# Altium PCB EBAZ4205.PcbDoc (part 5 of 6)
Units mil, origin at the board's own origin, x right, y up, seen from the top; angles counter-clockwise.
Board outline 3958.82 x 3829.88 mil, 4 copper layers (Top Layer, MidLayer1, MidLayer2, Bottom Layer); 565 components, 392 nets, 1912 pads, 1242 vias.
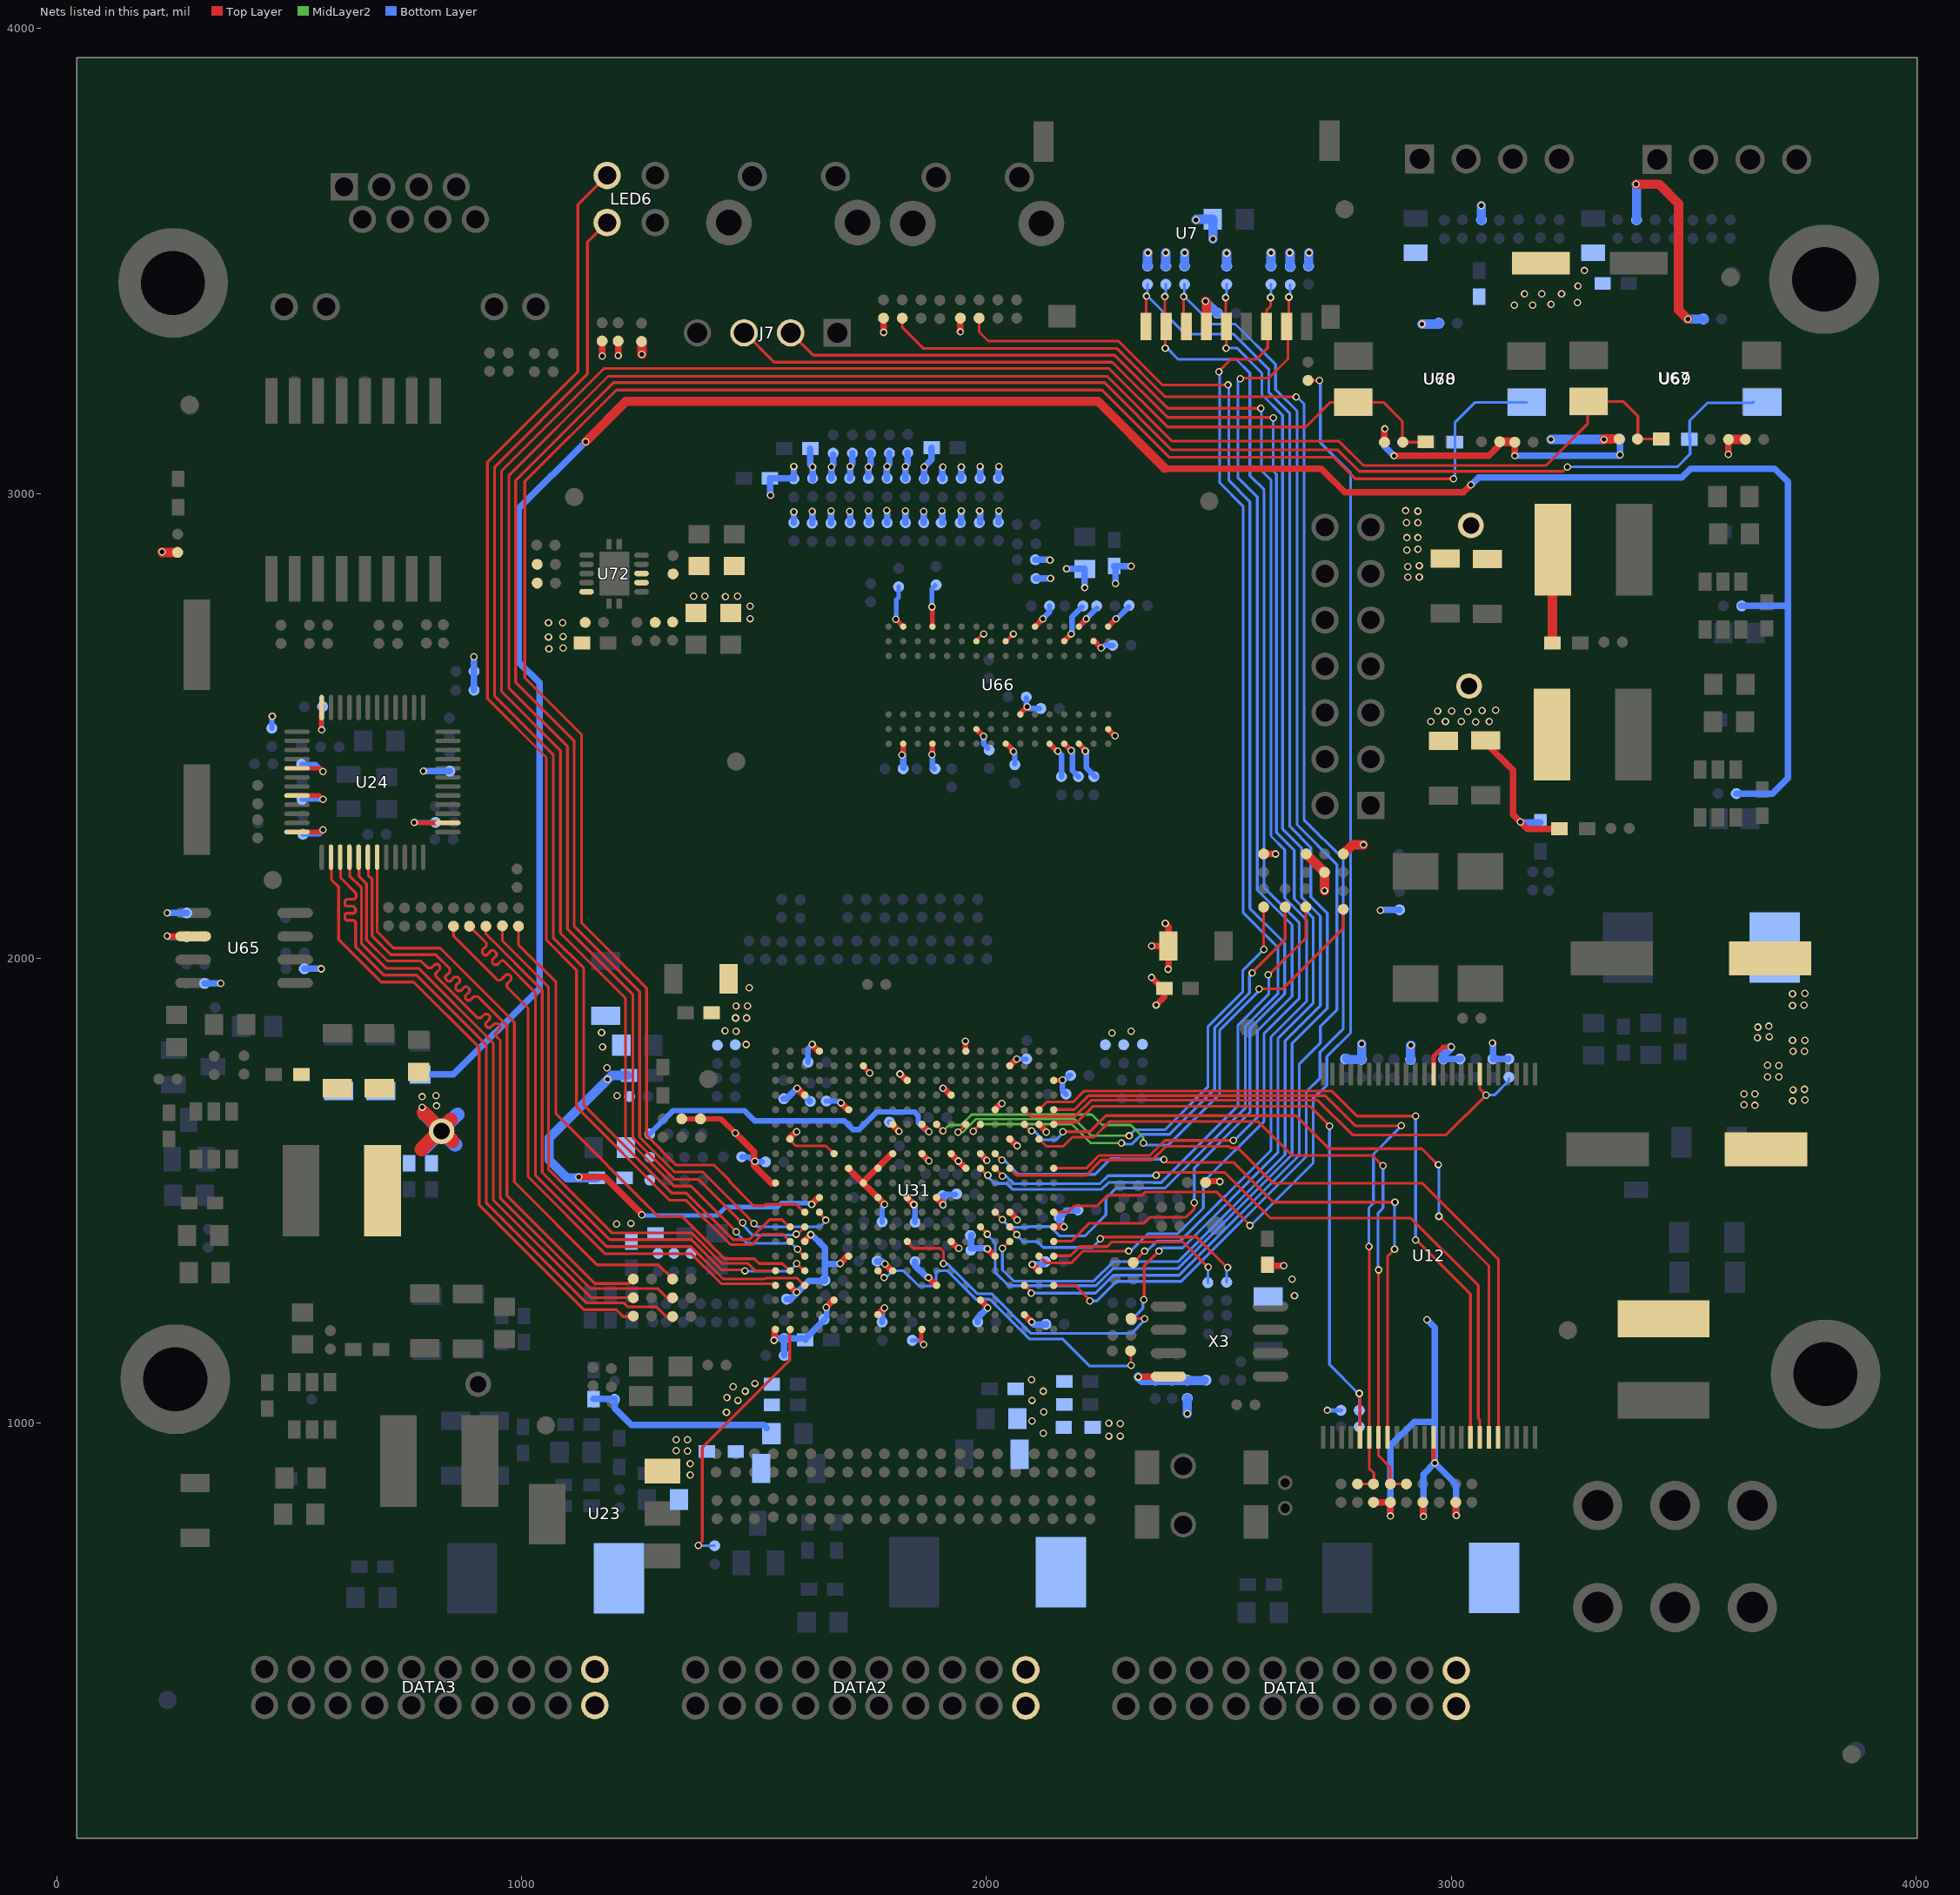
[diagram p7: the nets of this part, all layers, seen from the top]

## Via types
v1: diameter 16, hole 10, Top Layer to Bottom Layer, 1172 vias
v2: diameter 16, hole 10, Top Layer to Bottom Layer, tented both sides, 70 vias

## Nets (pads, with @x,y where several pads share a name; then routed paths per layer and width w, separated by ;. In a path a pad name is that pad's centre, name@x,y a point inside that pad or via, vN(x,y) a via of type N, cw(c..) or ccw(c..) an arc to the next point about the centre after c; other vN are vias at no path point) (continued)
RXD0_0: R1391.1 U31.Y16 | length 1140.1
  Top Layer w6: R1391.1@958.66,2069.88 958.66,2037.4 1058.07,1937.99 1058.07,1545.28 1193.9,1409.45 1365.16,1409.45 1430.85,1343.76 1486.94,1343.76 1502.94,1327.76 U31.Y16@1542.32,1327.76
RXD1_0: R1394.1 U31.V16 | length 1237.2
  Top Layer w6: R1394.1@923.23,2068.9 923.23,2052.17 1044.29,1931.1 1044.29,1539.37 1188.98,1394.68 1365.16,1394.68 1430.12,1329.72 1479.33,1329.72 v1@1480.32,1328.74 ; v1@1593.5,1341.54 1593.61,1341.54 U31.V16@1606.61,1328.53
  Bottom Layer w6: v1@1480.32,1328.74 1482.28,1326.77 1575.79,1326.77 v1@1589.57,1340.55
  other v1: 1480.32,1327.76 1591.54,1343.5
RXD2_0: R1397.1 U31.V17 | length 1333.3
  Top Layer w6: R1397.1@887.8,2068.9 924.21,2032.48 924.21,2026.57 915.35,2017.72 915.35,2010.83 919.29,2006.89 925.2,2006.89 935.04,2016.73 939.96,2016.73 945.87,2010.83 945.87,2005.91 937.01,1997.05 937.01,1990.16 940.95,1986.22 947.83,1986.22 956.69,1995.08 960.63,1995.08 1029.53,1926.18 1029.53,1533.46 1183.07,1379.92 1364.17,1379.92 1434.06,1310.04 1522.64,1310.04 1524.56,1311.96 1592.56,1311.96 U31.V17@1605.32,1299.21
RXD3_0: R1405.1 U31.Y17 | length 1269.5
  Top Layer w6: R1405.1@853.35,2068.9 853.35,2048.23 948.82,1952.76 954.72,1952.76 966.54,1964.57 973.43,1964.57 977.36,1960.63 977.36,1953.74 968.5,1944.88 968.5,1937.99 1013.78,1892.72 1013.78,1530.51 1180.12,1364.17 1365.16,1364.17 1429.29,1300.04 1540.36,1300.04 U31.Y17@1543.31,1297.09
RXDV_0: R1385.1 U31.W16 | length 1077.2
  Top Layer w6: R1385.1@993.11,2068.9 993.11,2029.53 1073.82,1948.82 1073.82,1665.35 1294.45,1444.72 1345.27,1444.72 1436.24,1353.76 1500.57,1353.76 1503.99,1350.34 1511.08,1343.25 1530.25,1343.25 1530.5,1343.5 1561.02,1343.5 U31.W16@1574.8,1329.72
RY/#BY_0: R1358.1 U12.7 U31.C5 | length 1197.6
  Top Layer w6: U31.C5@2081.38,1674.42 2096.35,1659.45 2189.96,1659.45 2225.08,1694.57 2712.91,1694.57 2787.4,1620.08 2989.17,1620.08 v1(3074.8,1705.71) 3061.24,1719.27 U12.7@3061.24,1750.98
  Bottom Layer w6: v1(3074.8,1705.71) 3092.52,1705.71 3124.02,1737.2 R1358.1@3124.02,1741.14
TXCLK_0: R2461.1 U24.7 | length 1302.7
  Top Layer w6: U24.7@689.07,2217.52 689.07,2057 724.41,2021.65 824.8,2021.65 984.25,1862.2 984.25,1518.7 1162.4,1340.55 1294.29,1340.55 R2461.1@1321.85,1312.99
TXD0_0: R2463.1 U24.6 | length 1360.1
  Top Layer w6: U24.6@670.19,2217.52 670.19,2178.24 678.15,2170.28 678.15,2048.23 718.5,2007.87 814.96,2007.87 845.47,1977.36 845.47,1970.47 835.63,1960.63 835.63,1956.69 841.54,1950.79 846.46,1950.79 855.32,1959.65 862.2,1959.65 867.13,1954.72 867.13,1949.8 858.27,1940.94 858.27,1934.05 862.2,1930.12 869.09,1930.12 877.95,1938.98 882.87,1938.98 887.8,1934.05 887.8,1928.15 878.94,1919.29 878.94,1913.39 882.87,1909.45 888.78,1909.45 896.65,1917.32 906.5,1917.32 968.5,1855.31 968.5,1489.17 1157.48,1300.2 1232.28,1300.2 R2463.1@1241.14,1309.05
TXD1_0: R2464.1 U24.5 | length 1458.1
  Top Layer w6: U24.5@650.32,2217.52 650.32,2176.45 666.34,2160.43 666.34,2039.37 711.61,1994.09 783.46,1994.09 798.23,1979.33 806.1,1979.33 813.98,1987.2 820.87,1987.2 823.82,1984.25 823.82,1976.38 814.96,1967.52 814.96,1961.61 904.53,1872.05 912.4,1872.05 920.28,1879.92 927.17,1879.92 932.09,1875 932.09,1870.08 925.2,1863.19 922.24,1860.24 922.24,1855.31 927.17,1850.39 932.09,1850.39 940.95,1859.25 949.8,1859.25 953.74,1855.31 953.74,1849.41 942.91,1838.58 942.91,1834.65 953.74,1823.82 953.74,1484.25 1148.62,1289.37 1293.31,1289.37 1312.99,1269.68 R2464.1@1322.83,1269.68
TXD2_0: R2465.1 U24.4 | length 1275.9
  Top Layer w6: U24.4@629.92,2198.82 629.92,2177.17 655.51,2151.57 655.51,2031.5 708.66,1978.35 778.54,1978.35 938.98,1817.91 938.98,1480.31 1149.61,1269.68 R2465.1@1240.16,1269.68
TXD3_0: R2466.1 U24.3 | length 1489.5
  Top Layer w6: U24.3@610.59,2217.52 610.59,2172.87 643.7,2139.76 643.7,2130.91 639.76,2126.97 623.03,2126.97 620.08,2124.02 620.08,2114.17 622.05,2112.2 636.81,2112.2 642.72,2106.3 642.72,2100.39 638.78,2096.46 622.05,2096.46 620.08,2094.49 620.08,2084.65 623.03,2081.69 638.78,2081.69 642.72,2077.76 642.72,2024.61 703.74,1963.58 773.62,1963.58 924.21,1812.99 924.21,1473.42 1138.78,1258.86 1219.49,1258.86 1228.35,1250 1290.35,1250 1311.02,1229.33 R2466.1@1321.85,1229.33
TXEN_0: R2462.1 U24.2 | length 1350.8
  Top Layer w6: U24.2@590.73,2217.52 590.73,2169.11 606.3,2153.54 606.3,2040.35 697.83,1948.82 767.72,1948.82 908.46,1808.07 908.46,1469.49 1133.86,1244.09 1203.74,1244.09 1218.5,1229.33 R2462.1@1239.17,1229.33
U3.A14_0: R2650.1 U31.A14 | length 2849.1
  Top Layer w6: R2650.1@1984.25,3376.97 1984.25,3347.44 2003.94,3327.76 2284.45,3327.76 2378.94,3233.27 v1(2519.69,3233.27) ; U31.A14@2144.69,1391.42 2182.76,1391.42 2221.46,1430.12 2339.57,1430.12 2352.36,1442.91 2429.13,1442.91 2446.85,1460.63 v1(2446.85,1474.41)
  Bottom Layer w6: v1@2446.85,1472.44 2446.85,1548.23 2567.09,1668.46 2567.09,1682.29 2566.93,1682.45 2566.93,1848.42 2641.73,1923.23 2641.73,2032.48 2566.93,2107.28 2566.93,2982.28 2521.65,3027.56 2521.65,3231.3 v1(2519.69,3233.27)
U3.A17_0: R2646.1 U31.A17 | length 3319.7
  Top Layer w6: R2646.1@1818.9,3376.97 1818.9,3357.28 1864.17,3312.01 2280.51,3312.01 2384.84,3207.68 v1(2666.34,3207.68) ; U31.A17@2144.69,1297.09 2190.12,1297.09 v1@2222.44,1264.76
  Bottom Layer w6: v1@2227.36,1262.8 2237.2,1262.8 2279.53,1305.12 2419.29,1305.12 2687.99,1573.82 2687.99,1712.6 2717.52,1742.13 2717.52,1798.23 2767.72,1848.42 2767.72,2213.58 2683.07,2298.23 2683.07,3192.91 2668.31,3207.68 v1(2666.34,3207.68)
  other v1: 2222.44,1262.8
U3.A.9_0: R160.1 U7.8 U31.A9 | length 2429.1
  Top Layer w6: U31.A9@2144.69,1548.64 2214.98,1548.64 2242.28,1575.94 2351.54,1575.94 2383.86,1608.27 v1(2531.5,1608.27) ; v1@2547.24,3248.03 2607.28,3248.03 2648.62,3289.37 2648.62,3356.42 U7.8@2645.79,3359.25 2650.59,3364.05 v1(2650.59,3422.24)
  Bottom Layer w6: v1@2532.48,1607.28 2582.68,1657.48 2582.68,1843.5 2657.48,1918.31 2657.48,2071.85 2582.68,2146.65 2582.68,2992.13 2541.34,3033.46 v1@2541.34,3242.13 ; v1@2651.58,3421.26 2653.54,3423.23 R160.1@2653.54,3448.82
  other v1: 2546.26,3247.05
U3.A.12_0: R167.1 U31.A12 | length 2444.9
  Top Layer w6: 2164.94,1454.31 2144.69,1454.31 2175.58,1454.31 2188.42,1467.14 2237.81,1467.14 2246.06,1475.39 2260.83,1490.16 2334.65,1490.16 2341.54,1497.05 2496.06,1497.05 2566.93,1426.18 v1(2566.93,1425.2) ; R167.1@2691.93,3243.11 v1(2716.54,3243.11)
  Bottom Layer w6: v1(2566.93,1425.2) 2568.9,1425.2 2702.76,1559.05 2702.76,1697.83 2732.28,1727.36 2732.28,1788.39 2783.46,1839.57 2783.46,3044.29 2718.5,3109.25 v1@2718.5,3237.2
U3.A.16_0: J7.2 R2436.2 | length 3140.3
  Top Layer w6: J7.2@1578.74,3345.47 1626.97,3297.24 2275.59,3297.24 2389.76,3183.07 v1(2590.55,3183.07) ; R2436.2@2315.95,1345.47 v1(2340.55,1370.08)
  Bottom Layer w6: v1(2340.55,1370.08) 2345.47,1370.08 2367.13,1391.73 2417.32,1391.73 2612.2,1586.61 2612.2,1830.71 2688.98,1907.48 2688.98,2082.68 2641.73,2129.92 2641.73,2233.27 2612.2,2262.79 2612.2,3028.54 2591.54,3049.21 2591.54,3178.15 v1@2592.52,3179.13
U3.B.15_0: R164.1 U7.2 U31.B15 | length 2673.7
  Top Layer w6: U31.B15@2113.03,1359.98 2128.52,1344.49 2182.09,1344.49 2207.52,1369.92 2305.95,1369.92 v1(2306.1,1370.08) ; v1(2383.86,3423.23) 2383.86,3362.08 U7.2@2386.69,3359.25 2384.84,3357.41 v1(2384.84,3312.01)
  Bottom Layer w6: v1(2306.1,1370.08) 2310.04,1370.08 2347.44,1407.48 2411.42,1407.48 2466.54,1462.6 2466.54,1518.7 2597.44,1649.61 2597.44,1838.58 2673.23,1914.37 2673.23,2075.79 2597.44,2151.57 2597.44,3007.87 2566.93,3038.39 2566.93,3258.86 2537.4,3288.39 2412.4,3288.39 v1@2388.78,3312.01 ; v1@2385.83,3424.21 R164.1@2385.83,3449.8
U3.C.17_0: R163.1 U7.3 U31.C17 | length 2857.2
  Top Layer w6: U31.C17@2081.38,1297.09 2097.96,1280.51 v1@2098.43,1280.51 ; v1(2424.21,3423.23) 2424.21,3364.91 U7.3@2429.87,3359.25
  Bottom Layer w6: v1@2097.44,1278.54 2098.68,1279.78 2173.95,1279.78 2174.2,1279.53 2234.25,1279.53 2272.64,1317.91 2414.37,1317.91 2673.23,1576.77 2673.23,1772.64 2718.5,1817.91 2718.5,1853.35 2753.94,1888.78 2753.94,2201.77 2668.31,2287.4 2668.31,3177.17 2622.05,3223.42 2622.05,3277.56 2535.43,3364.17 2485.24,3364.17 v1@2429.13,3420.28 ; v1@2426.18,3423.23 R163.1@2426.18,3449.8
  other v1: 2096.46,1279.53
U3.D.14_0: R162.1 U7.5 U31.D14 | length 2798.6
  Top Layer w6: v1(2034.45,1375.98) 2034.45,1376.14 U31.D14@2049.73,1391.42 ; v1(2514.76,3421.26) 2514.76,3360.73 U7.5@2516.24,3359.25 2516.24,3312.5 v1(2515.75,3312.01)
  Bottom Layer w6: v1(2034.45,1375.98) 2034.45,1329.72 2058.64,1305.54 2230.73,1305.54 2272.64,1347.44 2412.4,1347.44 2642.72,1577.76 2642.72,1822.83 2718.5,1898.62 2718.5,2090.55 2678.15,2130.91 2678.15,2237.2 2636.81,2278.54 2636.81,3168.31 2592.52,3212.6 2592.52,3258.86 2538.39,3312.99 v1@2517.72,3312.99 ; v1@2516.73,3422.24 R162.1@2516.73,3449.8
U3.E.12_0: R161.1 U7.7 U31.E12 | length 2632.1
  Top Layer w6: U31.E12@2018.08,1454.31 v1(2034.45,1437.99) v1(2034.45,1437.99) ; v1(2500,3261.81) 2500,3262.79 2525.59,3288.39 2580.71,3288.39 2605.32,3312.99 2605.32,3356.54 U7.7@2602.61,3359.25 2602.61,3393.95 2611.22,3402.56 v1(2611.22,3421.26)
  Bottom Layer w6: v1@2034.45,1435.04 v1(2034.45,1437.99) 2051.43,1421.01 2071.38,1421.01 2089.05,1421.01 2091.02,1422.98 2137.06,1422.98 2157.48,1402.56 2211.61,1402.56 2256.89,1447.83 2256.89,1483.27 2279.53,1505.91 2384.84,1505.91 2557.09,1678.15 2556.93,1678.31 2556.93,1853.19 2626.97,1923.23 2626.97,2023.62 2552.17,2098.42 2552.17,2972.44 2501.97,3022.64 v1@2501.97,3261.81 ; v1@2612.2,3422.24 R161.1@2612.2,3449.8
U3.F13_0: R165.1 U7.1 U31.F13 | length 3075.9
  Top Layer w6: U31.F13@1986.43,1422.87 2001.97,1407.33 v1(2001.97,1406.5) ; U7.1@2343.5,3359.25 2343.5,3423.23 v1(2344.49,3424.21)
  Bottom Layer w6: v1@2000.98,1406.5 2018.7,1388.78 2018.7,1324.8 2047.97,1295.54 2235.5,1295.54 2272.64,1332.68 2412.4,1332.68 2657.48,1577.76 2657.48,1816.93 2733.27,1892.72 2733.27,2096.46 2697.83,2131.89 2697.83,2238.19 2652.56,2283.46 2652.56,3172.24 2607.28,3217.52 2607.28,3267.72 2532.48,3342.52 2428.15,3342.52 v1@2346.46,3424.21 ; v1@2343.5,3421.26 v1@2346.46,3424.21 ; v1(2344.49,3424.21) v1@2346.46,3424.21 ; R165.1@2346.46,3449.8 v1@2346.46,3424.21
U3.F.15_0: J7.3 R2437.1 | length 3378.2
  Top Layer w6: J7.3@1478.35,3345.47 1480.32,3345.47 1543.31,3282.48 2270.67,3282.48 2389.76,3163.39 2616.14,3163.39 v1(2617.13,3162.4) ; v1@2335.63,1265.75 2339.57,1269.68 2339.57,1338.58 v1(2371.06,1370.08) v1@2371.06,1371.06
  Bottom Layer w6: R2437.1@2312.01,1222.44 2336.61,1247.05 v1@2336.61,1266.73 ; v1(2371.06,1370.08) 2377.95,1376.97 2422.24,1376.97 2626.97,1581.69 2626.97,1826.77 2702.76,1902.56 2702.76,2087.6 2662.4,2127.95 2662.4,2232.28 2624.02,2270.67 2624.02,3041.34 2617.13,3048.23 v1@2617.13,3160.43
  other v1: 2338.58,1265.75
U3.U12_0: R2554.1 U31.U12 U69.2 | length 4971.6
  Top Layer w6: v2@1502.3,1426.83 1489.17,1439.96 1489.17,1440.94 1389.76,1540.35 1328.74,1540.35 1253.94,1615.16 1253.94,1928.15 1113.19,2068.9 1113.19,2467.52 987.2,2593.5 987.2,3027.56 1197.83,3238.19 2253.94,3238.19 2398.62,3093.5 2755.91,3093.5 2802.17,3047.24 2998.04,3047.24 2998.29,3047.5 3011.55,3047.5 3011.8,3047.24 3240.16,3047.24 v2(3250,3057.09) ; U31.U12@1638.26,1454.31 v1@1654.58,1437.99
  Bottom Layer w6: v2@1502.3,1426.83 1506.89,1422.24 1641.73,1422.24 1654.09,1434.6 v1(1654.09,1436.56) ; v2(3250,3057.09) 3486.22,3057.09 3513.78,3084.65 R2554.1@3513.78,3119.09 ; R2554.1@3512.8,3116.14 3512.8,3156.5 3551.18,3194.88 3648.62,3194.88 U69.2@3650.59,3196.85
  other v2: 1500,1429.13
U3.V12_0: R2557.1 U31.V12 U70.2 | length 4380.3
  Top Layer w6: U31.V12@1606.61,1454.31 1590.45,1470.47 1524.6,1470.47 1521.39,1467.27 1499.28,1467.27 1447.58,1518.96 1447.58,1521.91 1414.37,1555.12 1332.68,1555.12 1268.7,1619.09 1268.7,1936.02 1128.94,2075.79 1128.94,2481.3 1006.89,2603.35 1006.89,3025.59 1203.74,3222.44 2249.02,3222.44 2393.7,3077.76 2747.05,3077.76 2793.31,3031.5 v1(3004.92,3031.5)
  Bottom Layer w6: v1@3003.94,3030.51 3007.87,3034.45 3007.87,3152.56 3051.18,3195.87 U70.2@3162.4,3195.87
U3.V13_0: R2546.2 R2552.1 U31.V13 U67.4 | length 4775.4
  Top Layer w6: v2@1475.39,1430.12 1474.41,1430.12 1379.92,1524.61 1328.74,1524.61 1239.17,1614.17 1239.17,1922.24 1098.43,2062.99 1098.43,2455.71 972.44,2581.69 972.44,3038.39 1186.02,3251.97 2259.84,3251.97 2399.61,3112.2 2758.86,3112.2 2811.02,3060.04 3203.74,3060.04 3293.31,3149.61 U67.4@3293.31,3184.05 ; v1@1593.5,1406.5 1606.61,1419.6 U31.V13@1606.61,1422.87 ; U67.4@3295.28,3197.83 3370.08,3197.83 3401.58,3166.34 R2546.2@3401.58,3116.14 ; R2546.2@3400.59,3117.13 3447.83,3117.13 R2552.1@3448.82,3116.14
  Bottom Layer w6: v2@1474.41,1430.12 1474.41,1427.16 1497.05,1404.53 1588.58,1404.53 v1@1589.57,1403.54
  other v1: 1590.55,1406.5
  other v2: 1475.39,1431.1
U3.V15_0: R2548.2 R2553.1 U31.V15 U68.4 | length 4249.4
  Top Layer w6: v1@1464.57,1409.45 1364.17,1509.84 1327.76,1509.84 1223.43,1614.17 1223.43,1914.37 1083.66,2054.13 1083.66,2446.85 956.69,2573.82 956.69,3048.23 1177.17,3268.7 2263.78,3268.7 2389.76,3142.72 2687.01,3142.72 2740.16,3195.87 U68.4@2789.37,3195.87 2854.33,3195.87 2894.69,3155.51 R2548.2@2894.69,3111.22 ; v1(1593.5,1374.02) 1593.5,1373.09 U31.V15@1606.61,1359.98 ; R2548.2@2895.67,3110.24 R2553.1@2945.87,3110.24
  Bottom Layer w6: v1@1464.57,1409.45 1464.57,1407.48 1485.24,1386.81 1580.71,1386.81 v1(1593.5,1374.02)
  other v1: 1461.61,1411.42
U3.W13_0: LED6.4 U31.W13 | length 2661.9
  Top Layer w6: LED6.4@1184.06,3582.68 1141.73,3540.35 1141.73,3256.89 941.93,3057.09 941.93,2563.98 1067.91,2437.99 1067.91,2044.29 1133.86,1978.35 1133.86,1684.05 1322.83,1495.08 1354.33,1495.08 1454.72,1394.68 1490.16,1394.68 1533.46,1437.99 1560.04,1437.99 U31.W13@1573.82,1424.21
U3.W14_0: LED6.3 U31.W14 | length 2785.8
  Top Layer w6: LED6.3@1184.06,3684.05 1121.06,3621.06 1121.06,3261.81 926.18,3066.93 926.18,2559.05 1053.15,2432.09 1053.15,2039.37 1118.11,1974.41 1118.11,1680.12 1318.9,1479.33 1354.33,1479.33 1449.91,1383.76 1494.98,1383.76 1517.72,1406.5 1562.01,1406.5 U31.W14@1575.79,1392.72
U12-IO0_0: R2577.1 R2584.1 U12.29 U31.A6 | length 1397.1
  Top Layer w6: U31.A6@2144.69,1642.98 2149.35,1647.64 2194.88,1647.64 2228.66,1681.42 2696.54,1681.42 2738.19,1639.76 v1(2738.19,1638.78) ; v1(2802.17,1063.98) 2803.66,1062.48 U12.29@2803.66,969.49
  Bottom Layer w6: v1@2736.22,1643.7 2738.19,1641.73 2738.19,1125.98 2800.2,1063.98 v1(2802.17,1063.98) 2802.17,1031.5 R2577.1@2804.13,1029.53 ; R2577.1@2801.18,1022.64 2802.17,1021.65 R2584.1@2802.17,992.13
U12-IO1_0: R2581.2 R2588.2 U12.30 U31.A5 | length 1620.2
  Top Layer w6: U31.A5@2144.69,1674.42 2189.18,1674.42 2219.33,1704.57 2728.5,1704.57 2793.31,1639.76 v1(2892.72,1639.76) ; R2588.2@2798.23,869.09 R2581.2@2830.71,869.09 ; v1(2822.83,1379.92) 2823.48,1379.28 U12.30@2823.48,969.49 2823.48,902.9 2833.66,892.72 R2581.2@2833.66,871.06
  Bottom Layer w6: v1(2822.83,1379.92) 2822.83,1463.58 2832.68,1473.42 2832.68,1578.74 2890.75,1636.81 v1@2892.72,1636.81
U12-IO2_0: R2578.2 R2585.2 U12.31 U31.B7 | length 1538
  Top Layer w6: U31.B7@2113.03,1611.53 2113.03,1611.38 2128.94,1595.47 2165.35,1595.47 2185.04,1615.16 2231.3,1615.16 2264.76,1648.62 2584.65,1648.62 2657.48,1575.79 2830.71,1575.79 2852.36,1554.13 v1(2853.35,1554.13) ; v1(2843.5,1329.72) 2843.29,1329.51 U12.31@2843.29,969.49 2843.29,930.33 2868.11,905.51 R2578.2@2868.11,875 ; R2578.2@2869.09,869.09 2896.65,869.09 R2585.2@2897.64,868.11
  Bottom Layer w6: v1@2842.52,1322.83 2842.52,1451.77 2853.35,1462.6 v1(2853.35,1554.13)
U12-IO3_0: U12.32 U31.E8 | length 1435.5
  Top Layer w6: U31.E8@2018.08,1580.09 v1@2034.19,1563.98 ; v1(2381.89,1566.93) 2387.8,1561.02 2531.5,1561.02 2617.13,1475.39 v1(2878.94,1475.39) ; U12.32@2863.1,969.49 2863.1,1359.17 v1(2877.95,1374.02)
  Bottom Layer w6: v1@2039.37,1563.98 2039.73,1563.98 2053.31,1550.4 2053.31,1550.04 2068.23,1535.12 2233.94,1535.12 2267.72,1568.9 2286.42,1568.9 ; 2287.4,1567.91 v1@2380.91,1567.91 ; v1(2877.95,1374.02) v1@2877.95,1474.41
  other v1: 2033.46,1565.94
U12-IO4_0: U12.41 U31.B5 | length 1590.7
  Top Layer w6: U31.B5@2113.03,1674.42 2129.56,1690.94 2187.01,1690.94 2210.63,1714.57 2743.11,1714.57 2797.24,1660.43 v1(2923.23,1660.43) ; v1(2923.23,1393.7) 2925.2,1393.7 3041.42,1277.47 U12.41@3041.42,969.49
  Bottom Layer w6: v1@2922.24,1660.43 2923.23,1659.45 v1(2923.23,1393.7)
U12-IO5_0: U12.42 U31.E9 | length 1489.8
  Top Layer w6: U31.E9@2018.08,1548.64 2033.26,1533.46 v1@2034.45,1533.46 ; v1@2365.16,1535.43 2368.94,1539.21 2512.95,1539.21 2611.22,1440.94 2913.39,1440.94 3058.07,1296.26 3058.07,1009.84 3061.24,1006.68 U12.42@3061.24,969.49
  Bottom Layer w6: v1(2034.45,1531.5) 2042.32,1531.5 2058.7,1515.12 2244.45,1515.12 2261.81,1532.48 2360.24,1532.48 v1@2363.19,1535.43